# Altium PCB GEM_AFE_128.PcbDoc (part 18 of 18)
Units mm, origin at the board's own origin, x right, y up, seen from the top; angles counter-clockwise.
Board outline 112 x 81.5 mm, 8 copper layers (Top Layer, L1, L2, L3, L4, L5, L6, Bottom Layer), stack 1.52 mm thick; 1880 components, 1258 nets, 6287 pads, 2369 vias.
Unrouted connection lines stored in the file: 4.
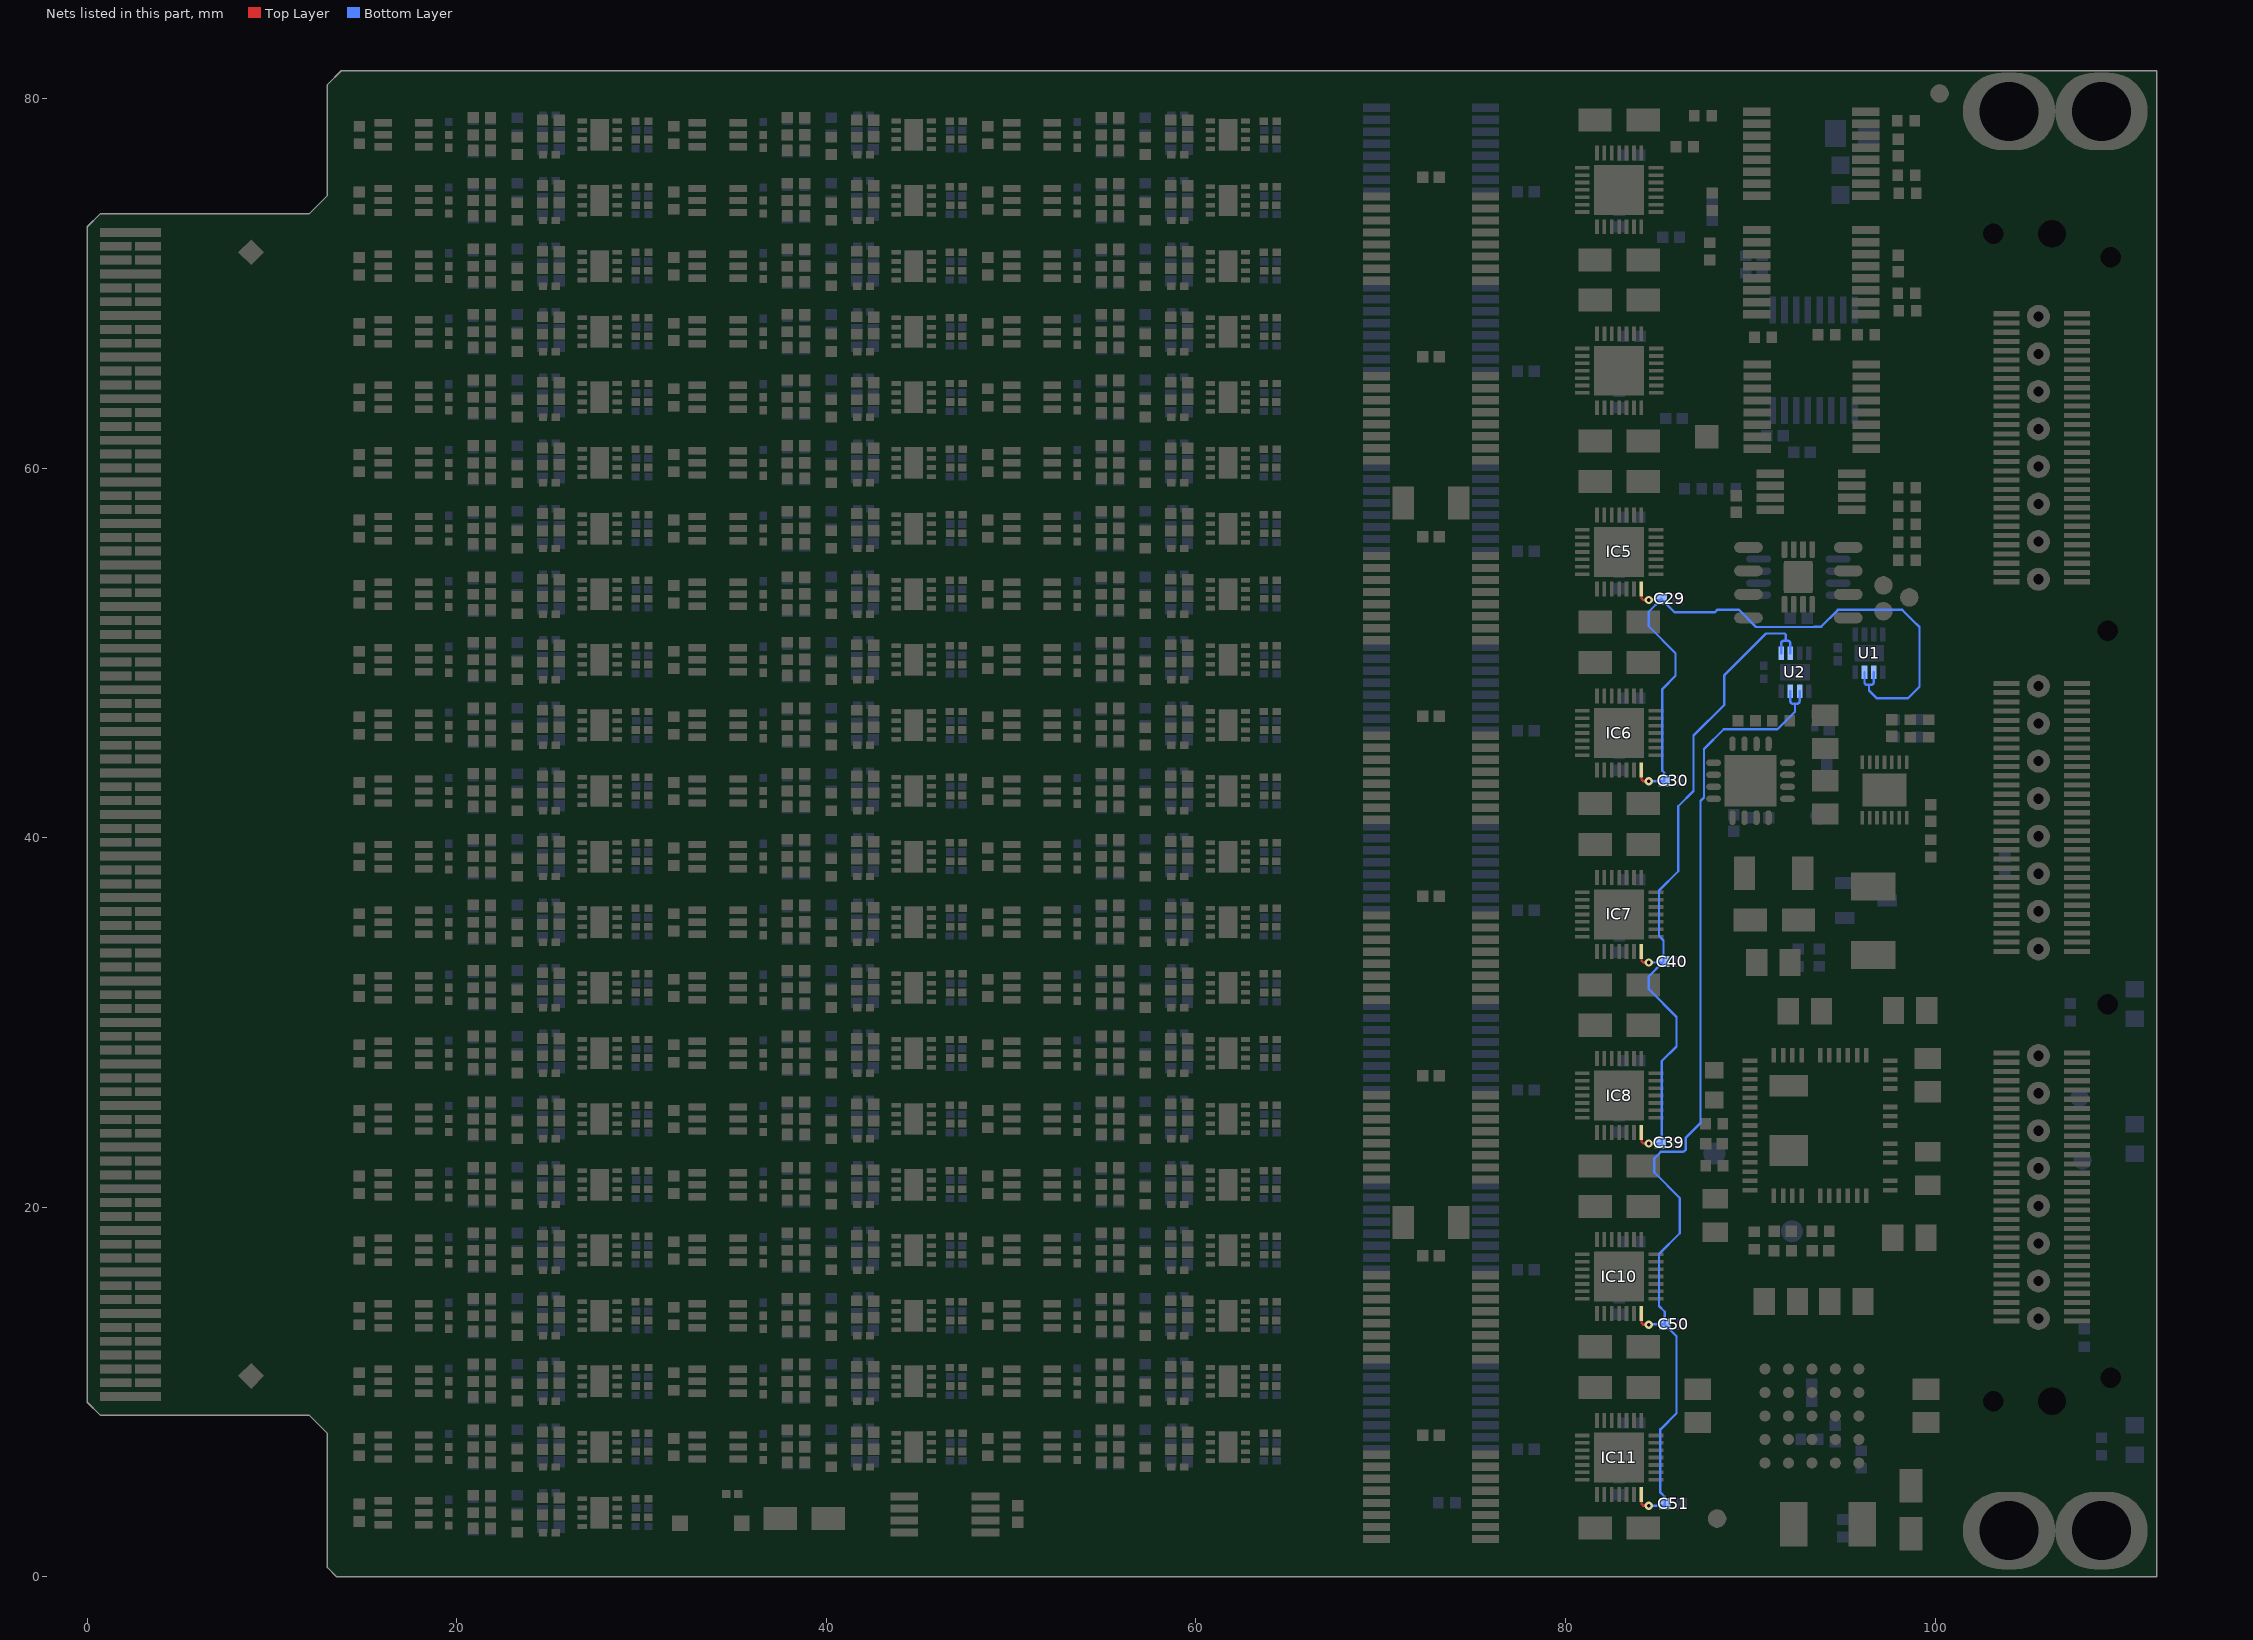
[diagram p24: the nets of this part, all layers, seen from the top]

## Via types
v1: diameter 0.5, hole 0.2, Top Layer to Bottom Layer, tented both sides, 1849 vias
v2: diameter 0.45, hole 0.2, Top Layer to Bottom Layer, tented both sides, 506 vias
v3: diameter 0.45, hole 0.2, Top Layer to Bottom Layer, 14 vias

## Nets (pads, with @x,y where several pads share a name; then routed paths per layer and width w, separated by ;. In a path a pad name is that pad's centre, name@x,y a point inside that pad or via, vN(x,y) a via of type N, cw(c..) or ccw(c..) an arc to the next point about the centre after c; other vN are vias at no path point) (continued)
VREF_B: C29.2 C30.2 IC5.21 IC6.21 U1.6 U1.7 | length 38.4
  Top Layer w0.127: IC5.21@84.1,53.458 84.108,53.449 84.108,52.951 84.202,52.858 v2(84.498,52.858) ; IC6.21@84.1,43.658 84.109,43.649 84.109,43.151 84.202,43.058 v2(84.498,43.058)
  Bottom Layer w0.127: v2(84.498,52.858) 85.102,52.858 C29.2@85.169,52.925 ; v2(84.498,43.058) 85.321,43.058 C30.2@85.34,43.077 85.34,43.515 85.239,43.616 85.239,48.044 85.95,48.755 85.95,49.981 84.498,51.434 84.498,52.222 85.169,52.893 C29.2@85.169,52.925 ; U1.7@96.175,48.945 96.175,48.411 ccw(c96.318,48.411) 96.318,48.268 96.424,48.268 ; U1.6@96.675,48.945 96.675,48.414 cw(c96.529,48.414) 96.529,48.268 96.424,48.268 ; C29.2@85.169,52.925 85.894,52.2 88.083,52.2 88.222,52.339 89.369,52.339 90.31,51.398 93.449,51.398 93.464,51.413 93.828,51.413 94.736,52.321 98.22,52.321 99.003,51.539 99.011,51.539 99.15,51.4 99.15,48.169 98.514,47.533 96.851,47.533 96.424,47.96 96.424,48.268
VREF_C: C39.2 C40.2 IC7.21 IC8.21 U2.1 U2.2 | length 37.9
  Top Layer w0.127: IC8.21@84.1,24.045 84.109,24.036 84.109,23.538 84.202,23.445 v2(84.498,23.445) ; IC7.21@84.1,33.841 84.109,33.832 84.109,33.334 84.202,33.241 v2(84.498,33.241)
  Bottom Layer w0.127: v2(84.498,23.445) 85.175,23.445 85.222,23.492 85.206,23.508 85.206,27.911 86,28.705 86,30.3 84.498,31.802 84.498,32.492 C40.2@85.247,33.241 ; v2(84.498,33.241) C40.2@85.247,33.241 ; U2.1@91.664,49.973 91.664,50.504 cw(c91.811,50.504) 91.811,50.65 91.916,50.65 ; U2.2@92.164,49.973 92.164,50.507 ccw(c92.021,50.507) 92.021,50.65 91.916,50.65 ; C40.2@85.247,33.241 C40.2@85.302,33.296 85.302,34.44 85.054,34.687 85.054,37.137 86.1,38.182 86.1,41.7 86.922,42.522 86.922,45.522 88.594,47.194 88.594,48.798 90.846,51.049 91.856,51.049 91.916,50.99 91.916,50.65
VREF_D: C50.2 C51.2 IC10.21 IC11.21 U2.6 U2.7 | length 56.4
  Top Layer w0.127: IC11.21@84.1,4.453 84.109,4.444 84.109,3.946 84.202,3.853 v2(84.498,3.853) ; IC10.21@84.1,14.249 84.109,14.24 84.109,13.742 84.202,13.649 v2(84.498,13.649)
  Bottom Layer w0.127: v2(84.498,3.853) 85.262,3.853 85.364,3.751 85.364,4.336 85.13,4.57 85.13,7.98 86.004,8.854 86.004,13.021 C50.2@85.364,13.661 ; v2(84.498,13.649) 84.51,13.661 C50.2@85.364,13.661 ; U2.7@92.164,47.923 92.164,47.39 ccw(c92.308,47.39) 92.308,47.246 92.413,47.246 ; U2.6@92.664,47.923 92.664,47.392 cw(c92.518,47.392) 92.518,47.246 92.413,47.246 ; C50.2@85.364,13.661 85.364,14.341 85.054,14.65 85.054,17.461 86.18,18.587 86.18,20.503 84.795,21.888 84.795,22.643 85.156,23.004 86.353,23.004 86.365,23.017 86.401,23.017 86.497,23.114 86.497,23.747 87.3,24.55 87.3,41.981 87.494,42.175 87.494,44.8 88.562,45.868 91.466,45.868 92.413,46.815 92.413,47.246
pads on no net: B5.1 B6.1 B7.1 B8.1 FTG1.FTG2 FTG2.FTG2 FTG3.FTG2 FTG4.FTG2 FTG5.1 FTG6.1 FTG7.1 FTG8.1 IC1A.2 IC1AA.2 IC1AB.2 IC1AC.2 IC1AD.2 IC1AE.2 IC1AF.2 IC1AG.2 IC1AH.2 IC1AI.2 IC1AJ.2 IC1AK.2 IC1AL.2 IC1AM.2 IC1AN.2 IC1AO.2 IC1AP.2 IC1AQ.2 IC1AR.2 IC1AS.2 IC1AT.2 IC1AU.2 IC1AV.2 IC1AW.2 IC1AX.2 IC1AY.2 IC1AZ.2 IC1B.2 IC1BA.2 IC1BB.2 IC1BC.2 IC1BD.2 IC1BE.2 IC1BF.2 IC1BG.2 IC1BH.2 IC1BI.2 IC1BJ.2 IC1BK.2 IC1BL.2 IC1BM.2 IC1BN.2 IC1BO.2 IC1BP.2 IC1BQ.2 IC1BR.2 IC1BS.2 IC1BT.2 IC1BU.2 IC1BV.2 IC1BW.2 IC1BX.2 IC1BY.2 IC1BZ.2 IC1C.2 IC1CA.2 IC1CB.2 IC1CC.2 IC1CD.2 IC1CE.2 IC1CF.2 IC1CG.2 IC1CH.2 IC1CI.2 IC1CJ.2 IC1CK.2 IC1CL.2 IC1CM.2 IC1CN.2 IC1CO.2 IC1CP.2 IC1CQ.2 IC1CR.2 IC1CS.2 IC1CT.2 IC1CU.2 IC1CV.2 IC1CW.2 IC1CX.2 IC1CY.2 IC1CZ.2 IC1D.2 IC1DA.2 IC1DB.2 IC1DC.2 IC1DD.2 IC1DE.2 IC1DF.2 IC1DG.2 IC1DH.2 IC1DI.2 IC1DJ.2 IC1DK.2 IC1DL.2 IC1DM.2 IC1DN.2 IC1DO.2 IC1DP.2 IC1DQ.2 IC1DR.2 IC1DS.2 IC1DT.2 IC1DU.2 IC1DV.2 IC1DW.2 IC1DX.2 IC1E.2 IC1F.2 IC1G.2 IC1H.2 IC1I.2 IC1J.2 IC1K.2 IC1L.2 IC1M.2 IC1N.2 IC1O.2 IC1P.2 IC1Q.2 IC1R.2 IC1S.2 IC1T.2 IC1U.2 IC1V.2 IC1W.2 IC1X.2 IC1Y.2 IC1Z.2 IC2.1 IC2.2 IC2.3 IC2.9 IC2.10 IC2.12 IC29.B4 IC29.C3 IC29.D4 IC30.23 IC30.24 IC30.25 IC30.27 IC30.28 IC30.29 IC30.30 IC30.32 IC30.33 IC30.34 IC30.40 IC30.41 IC31.3 IC32.3 IC35.6 IC35.9 IC35.14 IC36.8 J1.1 J1.2 J1.3 J1.3mate J1.4 J1.138@3.3,33.75 J2.205 J2.206 J2.207 J2.208 J2.209 J2.210 J2.211 J2.212 U1.EP U2.EP

## Polygon pours and split planes (outlines as drawn)
P3V3A on Bottom Layer "pv" (solid, pour order 83): 95.783,78.943 95.783,75.569 92.45,75.569 92.45,78.943
P3V3 on Bottom Layer "NONET_L-01_P-001" (solid, remove dead copper, pour order 37): 91.25,71.7 91.4,71.85 97.9,71.85 99.05,70.7 99.05,69.35 99.45,68.95 100.5,68.95 101.1,69.55 101.1,75.1 99.65,76.55 98.55,76.55 98.4,76.7 98.4,77.05 98.55,77.2 112,77.2 112,40.9 102.65,40.9 101.95,41.6 101.95,66.6 100.5,68.05 98.95,68.05 98.2,68.8 98.2,70 97.6,70.6 94.35,70.6 93.65,71.3 91.4,71.3 91.25,71.45
P3V6 on Bottom Layer "NONET_L-01_P-001" (solid, remove dead copper, pour order 28): 89.65,15.95 89.65,13.05 90.8,11.9 97.05,11.9 103.85,18.7 103.85,30.25 101.35,32.75 95.2,32.75 94.6,32.15 94.6,27.85 95.95,26.5 99.35,26.5 100.35,25.5 100.35,23.3 97.05,20 97.05,18.95 95.15,17.05 90.75,17.05 89.9,16.2
P3V3 on Bottom Layer "P3V3_L08_P084" (solid, remove dead copper, pour order 84): 101.218,73.183 91.402,73.183 89.519,75.066 88.552,75.066 88.552,75.085 88.323,75.314 88.323,77.83 88.917,78.424 90.117,78.424 90.545,77.996 90.545,76.266 91.387,75.424 97.489,75.424 98.417,76.352 98.417,76.701 99.829,76.701 99.948,76.821 100.219,76.55 101.25,76.55
GND on Bottom Layer "NONET_L-01_P-001" (solid, remove dead copper, pour order 81): 89.773,55.074 89.773,54.424 89.973,54.224 91.273,54.224 91.511,53.987 91.511,51.757 91.705,51.563 92.48,51.563 92.48,52.554 93.501,53.574 95.306,53.574 95.365,53.633 95.365,53.916 95.306,53.974 93.923,53.974 93.598,54.299 93.598,54.799 93.123,55.274 89.89,55.274 89.832,55.216
GND on Bottom Layer "NONET_L-01_P-001" (solid, remove dead copper, pour order 77): 0.7,72.99 6.16,72.99 6.45,72.7 6.45,70.688 6.022,70.26 0.7,70.26
GND on Bottom Layer "NONET_L-01_P-001" (solid, remove dead copper, pour order 32): 88.61,44.477 91.408,44.477 91.408,41.678 88.61,41.678
GND on Bottom Layer "NONET_L-01_P-001" (solid, remove dead copper, pour order 30): 96.055,43.476 98.45,43.476 98.45,41.677 96.055,41.677
NetC9_2 on Bottom Layer "Bottom Layer-NetC9_2" (solid, remove dead copper, pour order 27): 98.2,8.75 98.8,9.35 98.8,11 96.28,11 95.779,10.499 95.1,9.82 91.56,9.82 90.881,10.499 90.38,11 88.2,11 87.85,10.65 87.85,9.35 88.45,8.75
GND on Bottom Layer "NONET_L-01_P-001" (solid, remove dead copper, pour order 21): 93.304,7.845 93.304,6.696 93.45,6.55 94.7,6.55 94.997,6.847 94.997,7.601 94.921,7.677 94.193,7.677 94.025,7.845
GND on Bottom Layer "NONET_L-01_P-001" (solid, remove dead copper, pour order 15): 93.15,22.2 90.999,22.2 90.999,23.921 93.15,23.921
GND on Bottom Layer "NONET_L-01_P-001" (solid, remove dead copper, pour order 14): 93.15,25.976 90.999,25.976 90.999,27.176 93.15,27.176
NetC93_2 on Bottom Layer "NONET_L-01_P-001" (solid, remove dead copper, pour order 12): 94.197,19.2 94.056,19.341 94.056,22.206 97.55,25.7 98.5,25.7 99,25.2 99,24.285 96,21.285 96,19.45 95.75,19.2
GND on Bottom Layer "NONET_L-01_P-001" (solid, remove dead copper, pour order 3): 84.25,54.108 81.55,54.108 81.55,56.808 84.25,56.808
GND on Bottom Layer "NONET_L-01_P-001" (solid, remove dead copper, pour order 2): 84.252,63.915 81.552,63.915 81.552,66.615 84.252,66.615
GND on Bottom Layer "NONET_L-01_P-001" (solid, remove dead copper, pour order 8): 84.25,5.103 81.55,5.103 81.55,7.803 84.25,7.803
GND on Bottom Layer "NONET_L-01_P-001" (solid, remove dead copper, pour order 7): 84.25,14.899 81.55,14.899 81.55,17.599 84.25,17.599
GND on Bottom Layer "NONET_L-01_P-001" (solid, remove dead copper, pour order 6): 84.25,24.695 81.55,24.695 81.55,27.395 84.25,27.395
GND on Bottom Layer "NONET_L-01_P-001" (solid, remove dead copper, pour order 5): 84.25,34.491 81.55,34.491 81.55,37.191 84.25,37.191
GND on Bottom Layer "NONET_L-01_P-001" (solid, remove dead copper, pour order 4): 84.25,44.308 81.55,44.308 81.55,47.008 84.25,47.008
GND on Bottom Layer "NONET_L-01_P-001" (solid, remove dead copper, pour order 1): 81.548,76.401 84.248,76.401 84.248,73.701 81.548,73.701
NetC9_2 on Top Layer "NETC9_2_L01_P085" (solid, pour order 85): 94.4,0.75 101.25,0.75 101.25,5.43 101.08,5.6 96.95,5.6 96,4.65 94.4,4.65
P12V0 on Top Layer "NONET_L-01_P-001" (solid, remove dead copper, pour order 76): 0.7,72.99 6.616,72.99 6.753,72.852 6.753,71.853 6.55,71.65 5.4,71.65 5.15,71.4 5.15,70.339 5.071,70.26 0.7,70.26
IN_CLAMP on Top Layer "NONET_L-01_P-001" (solid, remove dead copper, pour order 61): 35,3.325 35,4.71 37.89,4.71 38.4,4.2 38.4,2 38.1,1.7 35.35,1.7 35,2.05
3P3VAUX on Top Layer "NONET_L-01_P-001" (solid, remove dead copper, pour order 60): 47.86,3.475 47.86,4.575 51.475,4.575 52.15,3.9 52.15,1.75 51.85,1.45 50.9,1.45 50.9,3.293 50.718,3.475 48.61,3.475
GND on Top Layer "NONET_L-01_P-001" (solid, remove dead copper, pour order 59): 43.685,2.625 43.46,2.4 43.46,1.89 43.9,1.45 50.9,1.45 50.9,3.149 50.709,3.34 47.24,3.34 46.525,2.625 44.96,2.625
NetC9_2 on Top Layer "NONET_L-01_P-001" (solid, remove dead copper, pour order 25): 96.5,9.35 96.95,8.9 96.95,5.6 97.75,4.8 101.8,4.8 101.8,8.95 101.8,12 100.75,13.05 100.75,20 96.481,20 96.173,19.692 96.173,19.371 95.683,18.881 95.081,18.881 94.95,18.75 94.95,17.3 94.7,17.05 89.8,17.05 89.6,17.25 89.6,20.1 89.2,20.5 86.8,20.5 86.8,17.1 87.45,16.45 96.866,16.45 97.2,16.116 97.2,11.325 96.5,10.625 96.5,9.4
GND on Top Layer "NONET_L-01_P-001" (solid, remove dead copper, pour order 33): 88.608,44.477 88.608,41.677 91.408,41.677 91.408,42.924 91.601,43.117 92.43,43.117 92.547,42.999 92.547,42.676 92.759,42.465 95.327,42.465 95.809,41.983 95.809,41.795 95.926,41.678 98.455,41.678 98.455,43.478 95.895,43.478 95.386,43.987 95.386,45.364 95.25,45.5 92.585,45.5 92.5,45.585 92.5,45.749 92.386,45.863 91.929,45.863 91.822,45.756 91.822,45.5 91.443,45.121 91.443,44.768 91.149,44.474
TIA_VCC on Top Layer "NONET_L-01_P-001" (solid, remove dead copper, pour order 34): 88.333,43.802 87.198,43.802 86.85,44.15 86.85,47 87.65,47.8 91.75,47.8 92.75,48.8 98.55,48.8 99.15,48.2 99.15,46.043 99.057,45.95 97.295,45.95 97.193,45.847 97.193,45.022 97.351,44.864 97.351,43.707 97.355,43.703 95.955,43.703 95.586,44.073 95.586,45.471 95.154,45.903 92.798,45.903 92.657,46.044 92.657,46.694 92.55,46.8 89.844,46.8 89.746,46.702 89.746,45.941 89.956,45.732 89.956,44.744 89.887,44.676 88.639,44.676 88.408,44.445 88.408,43.876
NetC77_2 on Top Layer "NONET_L-01_P-001" (solid, remove dead copper, pour order 31): 97.486,40.496 97.486,38.814 97.5,38.8 95.1,38.8 94.4,39.5 91.55,39.5 91.05,39 91.05,36.85 90.9,36.7 87.45,36.7 86.4,37.75 86.4,42.7 86.7,43 88.344,43 88.436,42.908 88.436,41.614 88.553,41.497 91.471,41.497 91.568,41.593 91.568,42.178 91.65,42.261 93.048,42.261 93.268,42.041 95.257,42.041 95.845,41.453 97.355,41.453 97.355,40.627
NetC9_2 on Top Layer "NONET_L-01_P-001" (solid, remove dead copper, pour order 29): 86.8,17.85 86.8,13.65 86.004,12.854 86.004,9.554 86.208,9.35 88.558,9.35 89.45,10.242 89.45,16.041 89.859,16.45 89.859,16.991 89,17.85
NetC9_2 on Top Layer "Top Layer-NetC9_2" (solid, remove dead copper, pour order 24): 94.733,8.239 95.845,9.35 100.36,9.35 100.51,9.5 100.51,11 100.21,11.3 97.175,11.3 96.374,10.499 95.779,10.499 94.794,9.514 94.41,9.514 94.236,9.689 93.792,9.689 93.572,9.469 93.088,9.469 92.867,9.689 92.424,9.689 92.25,9.514 91.865,9.514 90.881,10.499 90.251,10.499 89.45,11.3 86.45,11.3 86.15,11 86.15,9.5 86.3,9.35 90.815,9.35 91.927,8.239
P3V6A on Top Layer "NONET_L-01_P-001" (solid, remove dead copper, pour order 20): 91.451,32.702 91.451,38.951 91.85,39.35 94.3,39.35 95,38.65 98.15,38.65 98.6,38.2 98.6,36.4 98.15,35.95 94.95,35.95 94.25,35.25 94.25,32.55 93.8,32.1 91.65,32.1 91.45,32.3
P3V6 on Top Layer "NONET_L-01_P-001" (solid, remove dead copper, pour order 19): 93.65,27.825 93.65,28.693 93.443,28.9 93.25,28.9 93.1,29.05 93.1,31.65 93.3,31.85 94.3,31.85 94.7,32.25 94.7,34.55 95.15,35 98.15,35 98.6,34.55 98.6,29.45 98.95,29.1 100.5,29.1 100.75,28.85 100.75,27.4 100.6,27.25 98.8,27.25 98.65,27.1 98.65,26.45 98.45,26.25 97.225,26.25 97.175,26.3 97.175,27.8 93.675,27.8
P3V6 on Top Layer "NONET_L-01_P-001" (solid, remove dead copper, pour order 18): 96.16,10.7 97.01,11.55 97.01,16.04 96.75,16.3 95.55,16.3 95.36,16.11 95.36,13.45 94.065,12.155 94.065,11.045 94.41,10.7
P3V6 on Top Layer "NONET_L-01_P-001" (solid, remove dead copper, pour order 17): 90.5,10.7 89.65,11.55 89.65,15.95 90,16.3 91.3,16.3 91.5,16.1 91.5,13.25 92.595,12.155 92.595,11.045 92.25,10.7
NetC9_2 on Top Layer "NONET_L-01_P-001" (solid, remove dead copper, pour order 16): 89.105,19.755 87.095,19.755 86.8,20.05 86.8,21.4 87.1,21.7 88.803,21.7 89.148,22.044 90.294,22.044 90.375,21.963 90.375,21.8 89.463,21.8 89.3,21.637 89.3,19.95
NetC9_2 on Top Layer "NONET_L-01_P-001" (solid, remove dead copper, pour order 13): 96.682,17.018 96.15,17.55 96.15,21.089 96.799,21.737 100.563,21.737 100.75,21.55 100.75,20 100.55,19.8 98.9,19.8 98.65,19.55 98.65,17.4 98.268,17.018
NetC93_2 on Top Layer "NONET_L-01_P-001" (solid, remove dead copper, pour order 11): 98.999,24.449 98.749,24.199 98.217,24.199 98.099,24.318 98.099,25.562 98.205,25.668 98.731,25.668 98.999,25.399
NetC93_2 on Top Layer "NONET_L-01_P-001" (solid, remove dead copper, pour order 10): 94.208,19.2 94.054,19.353 94.054,20.002 94.153,20.1 95.912,20.1 96.018,19.994 96.018,19.468 95.75,19.2
GND on Top Layer "NONET_L-01_P-001" (solid, remove dead copper, pour order 9): 91.9,13.2 92.804,12.296 92.804,11.063 92.473,10.732 92.473,9.977 93.05,9.4 93.602,9.4 94.177,9.974 94.177,10.759 93.851,11.085 93.851,12.251 94.948,13.348 94.948,16.095 94.758,16.284 92.087,16.284 91.9,16.096
GND on L3 "NONET_L-01_P-001" (solid, remove dead copper, pour order 79): 112,81.5 112,0 0,0 0,81.5
P1V8 on L3 "P1V8_L04_P057" (solid, remove dead copper, pour order 57): 82.659,3.094 82.925,2.825 84.562,2.825 85.065,2.322 86.372,2.322 88.95,4.9 88.95,43.95 92.65,47.65 99.5,47.65 101.4,45.75 101.4,38.55 103,36.95 108.65,36.95 109.7,38 109.7,46.95 104.8,51.85 90.55,51.85 88.95,53.45 88.95,57.6 91.95,60.6 95.418,64.068 95.418,64.394 95.406,64.394 95.25,64.55 94.5,64.55 91.45,61.5 90.1,61.5 88.95,62.65 88.95,72.15 82.802,72.15 82.659,72.006 82.659,71.691 83.75,70.6 85.364,70.6 86.002,69.962 86.002,66.862 86.652,66.212 86.652,63.662 85.355,62.365 82.804,62.365 82.661,62.221 82.661,61.906 83.752,60.815 85.36,60.815 85.35,60.805 86,60.155 86,57.055 86.65,56.405 86.65,53.855 85.353,52.558 82.802,52.558 82.658,52.414 82.658,52.099 83.75,51.008 85.353,51.008 85.35,51.005 86,50.355 86,47.255 86.65,46.605 86.65,44.055 85.353,42.758 82.802,42.758 82.659,42.615 82.659,42.3 83.75,41.208 85.37,41.208 85.35,41.188 86,40.538 86,37.438 86.65,36.788 86.65,34.238 85.353,32.941 82.802,32.941 82.659,32.797 82.659,32.482 83.75,31.391 85.351,31.391 86,30.742 86,27.642 86.65,26.992 86.65,24.442 85.353,23.145 82.802,23.145 82.659,23.001 82.659,22.686 83.75,21.595 85.351,21.595 86,20.946 86,17.846 86.65,17.196 86.65,14.646 85.353,13.349 82.802,13.349 82.659,13.205 82.659,12.89 83.75,11.799 85.351,11.799 86,11.15 86,8.05 86.65,7.4 86.65,4.85 85.353,3.553 82.802,3.553 82.659,3.409
P3V3A on L3 "P3V3A_L04_P058" (solid, remove dead copper, pour order 58): 82.659,3.094 75.244,3.094 74.931,2.781 73.969,2.781 72.923,3.827 72.923,81.473 72.95,81.5 112,81.5 112,77.15 93.8,77.15 86.652,70.002 86.652,4.652 85.1,3.1
TIA_VCC on L3 "NONET_L-01_P-001" (solid, remove dead copper, pour order 74): 18.45,81.194 72.9,81.194 72.9,3.85 87.05,3.85 88.95,5.75 88.95,43.95 92.701,47.701 99.628,47.701 99.628,47.375 101.4,45.603 101.4,0.1 18.656,0.1 18.45,0.306
3P3VAUX on L3 "3P3VAUX_L04_P063" (solid, remove dead copper, pour order 63): 103.05,58.55 102.3,59.3 91,59.3 88.571,56.871 88.571,54.179 90.6,52.15 103.05,52.15 103.05,58.4
IN_CLAMP on L3 "IN_CLAMP_L04_P071" (solid, remove dead copper, pour order 71): 52.85,6.75 53.2,6.75 53.6,7.15 53.6,81.5 18.45,81.5 18.45,81.4 18.45,80.25 18.45,0.05 18.4,0 37.95,0 37.95,2.092 37.951,2.093 37.798,2.246 35.346,2.246 34.804,1.704 21.446,1.704 19.6,3.55 19.6,79 20.5,79.9 34.55,79.9 35.45,79 35.45,7.15 35.85,6.75 36.2,6.75 36.6,7.15 36.6,79 37.5,79.9 51.55,79.9 52.45,79 52.45,7.15
GND on L6 "NONET_L-01_P-001" (solid, remove dead copper, pour order 80): 112,81.5 112,0 0,0 0,81.5
P12V0 on L6 "NONET_L-01_P-001" (solid, remove dead copper, pour order 75): 94.15,4.13 92.18,6.1 25.3,6.1 9.05,22.35 9.05,73.75 0.7,73.75 0,73.05 0,8.2 8.25,-0.05 94.15,-0.05
3P3VAUX on L6 "NONET_L-01_P-001" (solid, remove dead copper, pour order 73): 102.7,58.75 102.4,58.45 102.4,53.85 110.35,45.9 110.35,16.282 95.418,1.35 52.619,1.35 51.869,2.1 51.5,2.1 51.35,1.95 51.35,0 97.75,0 112,14.25 112,46.55 103.823,54.727 103.823,58.027 103.1,58.75
GND on L5 "NONET_L-01_P-001" (solid, remove dead copper, pour order 0): 112,81.5 112,0 13.5,0 13,0.5 13,7.75 12,8.75 0,8.75 0,73.75 12,73.75 13,74.75 13,80.75 13.75,81.5 14.05,81.5
GND on L1 "NONET_L-01_P-001" (solid, remove dead copper, pour order 78): 112,81.5 112,0 0,0 0,81.5

## Keep-outs
Keep-Out Layer:
  lines w0.152: 13.047,9.257 0.45,9.257 0.45,73.214 13.098,73.214

## Silkscreen, mask and mechanical layers (free items; w line width, h text height)
Top Overlay:
  drawing of 7 lines, arcs and shapes, not listed
  text "IC1" at 27.141,80.056 h0.6
  text "IC1" at 44.141,80.056 h0.6
  text "IN3" at 15.791,80.006 h0.6
  text "IC1" at 61.17,79.956 h0.6
  text "3-5" at 66.93,77.974 h0.6
  text "9-11" at 66.63,74.424 h0.6
  text "15-17" at 65.93,70.824 h0.6
  text "21-23" at 65.83,67.424 h0.6
  text "27-29" at 65.73,63.624 h0.6
  text "33-35" at 65.73,60.324 h0.6
  text "SYNC0" at 86.156,59.81 h0.6
  text "39-41" at 65.93,56.774 h0.6
  text "45-47" at 65.73,52.824 h0.6
  text "SCL" at 96.683,50.85 h0.6
  text "GND" at 98.663,50.503 h0.6
  text "SDA" at 96.683,49.971 h0.6
  text "51-53" at 65.83,49.485 h0.6
  text "57-59" at 65.73,45.724 h0.6
  text "63-65" at 65.73,42.574 h0.6
  text "69-71" at 65.93,38.724 h0.6
  text "75-77" at 65.73,35.374 h0.6
  text "GEM AFE 128 v1.1" at 101.728,34.135 h1 r90
  text "81-83" at 65.83,31.774 h0.6
  text "87-89" at 65.73,28.174 h0.6
  text "93-95" at 65.73,24.524 h0.6
  text "99-101" at 65.43,20.974 h0.6
  text "105-107" at 64.731,17.824 h0.6
  text "111-113" at 65.031,13.924 h0.6
  text "117-119" at 64.931,10.324 h0.6
  text "1" at 6.25,9.125 h2
  text "123-125" at 64.731,7.124 h0.6
  text "IN127" at 14.591,0.656 h0.6
Bottom Overlay:
  drawing of 6 lines, arcs and shapes, not listed
  text "IC1" at 28.4,80.3 h0.6
  text "IN0" at 16.8,80.15 h0.6
  text "IC1" at 62.296,80.135 h0.6
  text "IC1" at 45.346,80.085 h0.6
  text "0-2" at 68.623,77.3 h0.6
  text "6-8" at 68.623,74 h0.6
  text "86" at 6.75,72.1 h2
  text "12-14" at 68.623,70.4 h0.6
  text "18-20" at 68.623,66.809 h0.6
  text "24-26" at 68.623,63.406 h0.6
  text "30-32" at 68.623,59.756 h0.6
  text "36-38" at 68.623,56.406 h0.6
  text "42-44" at 68.623,52.656 h0.6
  text "48-50" at 68.623,49.256 h0.6
  text "54-56" at 68.623,46.068 h0.6
  text "60-62" at 68.623,42.106 h0.6
  text "64-68" at 68.623,38.706 h0.6
  text "GEM AFE 128 v1.1" at 100.706,36.89 h1.52 r90
  text "72-74" at 68.623,35.356 h0.6
  text "TIAA" at 111.176,35.281 h0.6 r90
  text "78-80" at 68.623,31.506 h0.6
  text "84-86" at 68.623,28.056 h0.6
  text "P3V3" at 111.214,28.048 h0.6 r90
  text "TP4" at 108.781,26.587 h0.6
  text "2025" at 95.75,24.35 h1
  text "90-92" at 68.623,24.256 h0.6
  text "TP5" at 108.992,23.295 h0.6
  text "96-98" at 68.623,20.756 h0.6
  text "102-104" at 68.623,17.203 h0.6
  text "108-110" at 68.623,13.5 h0.6
  text "P12V0" at 111.397,12.247 h0.6 r90
  text "114-116" at 68.623,10.089 h0.6
  text "170" at 7.7,9.125 h2
  text "120-122" at 68.623,5.845 h0.6
  text "IC1" at 62.496,5.235 h0.6
  text "IC1" at 45.346,4.985 h0.6
  text "IN126" at 17.345,0.669 h0.6
  text "IC1" at 28.346,0.385 h0.6
Mechanical 2:
  lines w0.254: 13,1.5 108.5,1.5 ; 13,80 111.6,80 ; 13.5,0 13.5,1.5 ; 13.75,80 13.75,81.5
PCB Outline:
  lines w0.1: 8,73.75 0.698,73.75 0,73.052 0,9.45 0.7,8.75 12,8.75 13,7.75 ; 8,73.75 12,73.75 13,74.75 13,80.75 13.75,81.5 112,81.5 112,0 13.5,0 ; 13,0.5 13.5,0 ; 13,0.5 13,4.487 13,7.75 ; 13,0.5 13.5,0 ; 13,0.5 13,7.75
  text "45 deg beveled edge + Gold Finger with hard gold" at -4.412,5.504 h1.52 r90
Mechanical 15:
  circle w0.01: c6.753,72.737 r0.212
  lines w0.01: 6.753,72.337 6.753,73.137

## Text inside footprints (layer, text, board x,y; h text height)
IC2: Mechanical 13 "*" at 92.291,67.763 h1.27 r90
IC29: Mechanical 14 "E" at 90.663,12.515 h0.4 r270; Mechanical 14 "D" at 91.933,12.515 h0.4 r270; Mechanical 14 "C" at 93.203,12.515 h0.4 r270; Mechanical 14 "B" at 94.473,12.515 h0.4 r270; Mechanical 14 "A" at 95.743,12.515 h0.4 r270; Mechanical 14 "1" at 96.894,11.372 h0.4 r270; Mechanical 14 "2" at 96.894,10.102 h0.4 r270; Mechanical 14 "3" at 96.894,8.832 h0.4 r270; Mechanical 14 "4" at 96.894,7.562 h0.4 r270; Mechanical 14 "5" at 96.894,6.292 h0.4 r270
J1: Top Overlay "85" at 4.9,72.1 h2; Mechanical 8 "PCB Edge" at -0.7,37.175 h1 r90